# Allegro board KIT_PSE84_AI_PSOC_Edge_E84_AI_Board_Layout.brd (continued)
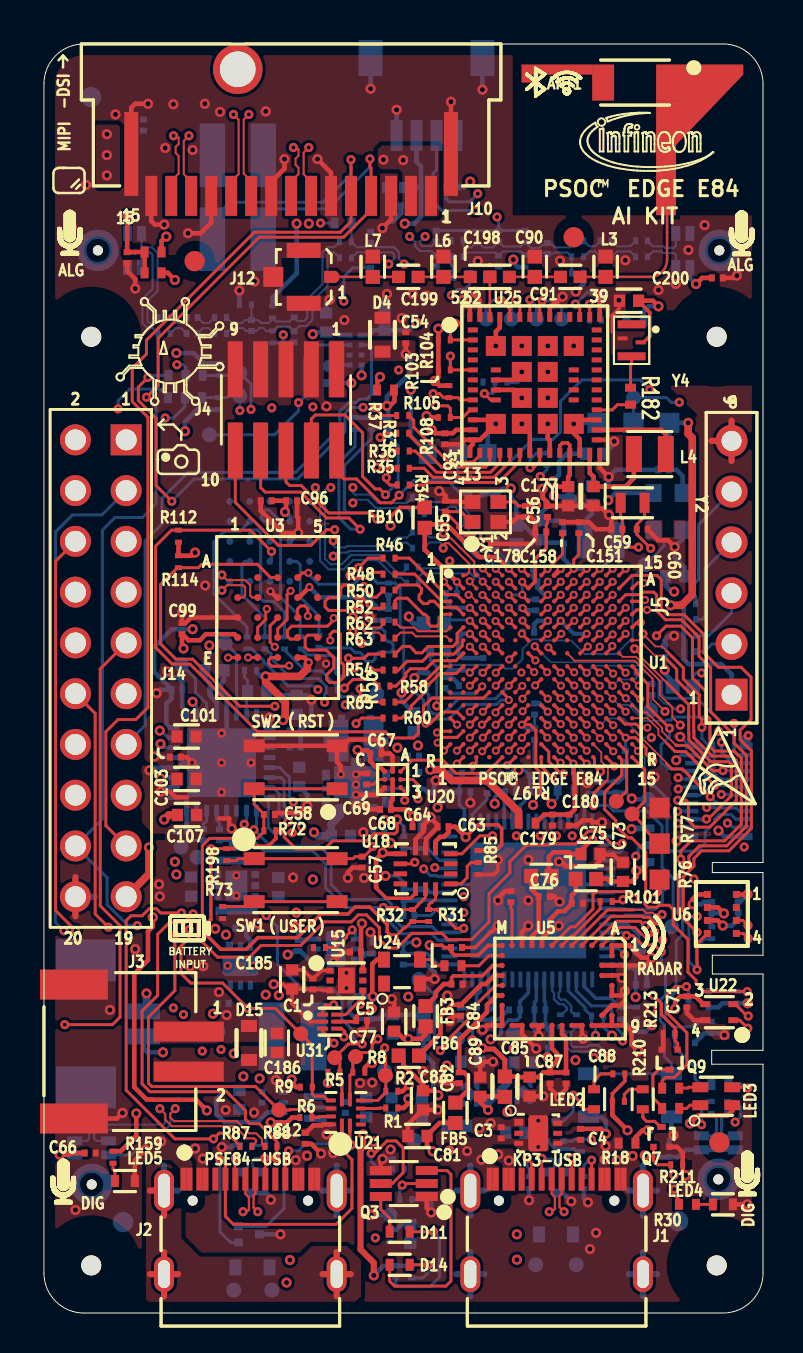
[diagram p0: board, top side]
## Routing (per net, layer and track width the routed paths; a pad name or vN(x,y) marks a point on that pad's centre or on a via; arc(x,y) is an arc through that point) (continued)
  BOTTOM w0.229: TP16.1 29.46,25.71 v3(29.43,25.74) ; C46.1 20.09,26.07 C47.1 20.08,25.68 v3(19.71,25.3) ; v3(30.42,14.4) 30.09,14.07 29.56,14.07 28.92,14.71 R25.1
  BOTTOM w0.254: C39.1 25.1,14.35 25.33,14.13 25.33,13.41 25.2,13.29 v3(25.2,12.8)
P5LP_XRES: length 3.8
  BOTTOM w0.15: TP18.1 30.95,21.4 30.95,20.57 30.59,20.2 29.07,20.2 29.03,20.24 U2.10
P11_1: length 37.4
  TOP w0.15: U1.E11 v1(27.17,34.64)
  L03_SIG1 w0.089: 26.34,39.29 26.31,39.27 26.31,37.49 26.19,37.37 26.19,37.1 26.39,36.91 26.65,36.91 26.84,36.72 26.84,34.96 v1(27.17,34.64)
  L03_SIG1 w0.157: 26.34,39.29 26.34,41.48 24.36,43.46 22.94,43.46 21.69,44.71 21.69,45.85 19.1,48.43 14.07,48.43 12.75,47.11 v2(12.75,45.55)
  BOTTOM w0.15: U40.7 13.71,48.43 13.03,47.75 13.03,45.84 v2(12.75,45.55) 12.75,45.14 11.54,43.94 TP70.1
P11_1_IN_3V3: length 29.1
  BOTTOM w0.15: J14.13 5.07,29.4 5.07,38.64 5.91,39.48 5.91,40.76 7.21,42.06 12.6,42.06 14.81,44.27 14.81,44.98 14.81,44.99 14.81,45.11 15.26,45.57 15.66,45.57 15.81,45.72 16.15,45.72 16.39,45.96 16.39,48.33 16.28,48.43 U40.2
P16_0: length 59.9
  TOP w0.15: v2(1.58,19.14) 0.58,20.14 0.58,37.62 J14.6 ; U1.M11 v1(27.17,29.44)
  L04_SIG2 w0.089: v1(27.17,29.44) 27.5,29.1 27.5,28.25 28.19,27.56 28.19,26.62 28.17,26.59
  L04_SIG2 w0.157: 28.17,26.59 28.09,26.51 28.09,25.25 27.5,24.67 27.5,24.17 27.83,23.84 27.83,23.54 27.71,23.43 27.71,20.77 24.68,17.75 15.98,17.75 15.48,18.24 13.87,18.24 12.73,17.1 11.23,17.1 10.84,16.7 3.51,16.7 1.58,18.62 v2(1.58,19.14)
P16_1: length 106
  TOP w0.15: U1.R13 28.55,27.4 v1(28.55,27.36)
  L03_SIG1 w0.089: v1(28.55,27.36) 28.99,27.36 29.53,26.82 29.53,26.59
  L03_SIG1 w0.157: 29.53,26.59 30.26,25.87 30.26,23.75 30.48,23.53 30.48,21.58 30.94,21.12 30.94,20.55 30.56,20.17 30.15,20.17 29.63,19.65 29.63,19.29 30.02,18.9 30.02,15.07 30.25,14.83 30.58,14.83 32.13,13.29 32.13,11.83 33.84,10.13 33.84,10.11 34.24,9.7 34.24,9.4 34.67,8.97 34.67,5.67 33.75,4.75 31.46,4.75 27.3,0.59 8.64,0.59 6.02,3.2 5.34,3.2 3.28,5.26 3.28,7.27 0.59,9.96 0.59,41.89 0.91,42.22 2.31,42.22 2.72,41.81 2.72,40.01 J14.5
P16_2: length 51.6
  TOP w0.15: U1.N11 v1(27.17,28.79)
  L04_SIG2 w0.089: v1(27.17,28.79) 26.84,28.46 26.38,28.46 26.19,28.27 26.19,28 26.38,27.81 26.64,27.81 26.83,27.62 26.83,26.92 26.19,26.27 26.19,24.08 26.12,24.01 26.12,23.46
  L04_SIG2 w0.157: 26.12,23.46 23.65,20.99 23.65,19.72 22.49,18.57 20.27,18.57 19.61,19.23 16.72,19.23 16.07,19.87 14.31,19.87 13.06,18.62 11.97,18.62 11.35,17.99 6.09,17.99 6.09,17.99 5.4,17.99 2.9,20.49 2.9,34.74 J14.8
P16_3: length 64
  TOP w0.15: U1.L11 27.15,30.1 v1(27.15,30.06)
  L04_SIG2 w0.089: v1(27.15,30.06) 27.19,30.06 27.54,29.71 27.97,29.71 28.16,29.52 28.16,28.95 28.15,28.95 28.15,28.63 28.16,28.62 28.16,27.97 28.36,27.77 28.59,27.77 28.87,27.49 28.87,26.79 28.73,26.65 28.73,26.59
  L04_SIG2 w0.157: 28.73,26.59 28.52,26.39 28.52,24.6 28.17,24.25 28.17,20.78 24.88,17.49 15.87,17.49 15.38,17.98 14.01,17.98 12.87,16.84 11.34,16.84 10.94,16.44 2.79,16.44 0.59,18.64 0.59,36.68 0.99,37.09 3.1,37.09 J14.7
P16_4: length 50.1
  TOP w0.15: U1.P11 v1(27.17,28.14)
  L04_SIG2 w0.089: 27.53,26.24 27.53,27.77 v1(27.17,28.14)
  L04_SIG2 w0.102: 27.53,26.24 27.1,25.81
  L04_SIG2 w0.157: J14.10 2.64,32.46 2.64,30.81 2.63,30.8 2.63,19.09 4.76,16.96 10.73,16.96 11.15,17.37 12.64,17.37 13.76,18.5 15.59,18.5 16.08,18 23.85,18 27.08,21.24 27.08,25.78 27.1,25.81
P16_5: length 95.6
  TOP w0.15: v1(26.54,30.06) U1.L10 ; v2(1.04,14.43) 3.43,14.43 3.81,14.81 3.81,19.38 2.82,20.37 2.82,32.23 J14.9
  L03_SIG1 w0.089: v1(26.54,30.06) 26.84,29.76 26.84,29.3 27.03,29.11 27.3,29.11 27.49,28.92 27.49,28.52 27.8,28.21 27.8,27.82 28.21,27.41 28.21,27.21 28.83,26.59
  L03_SIG1 w0.157: v2(1.04,14.43) 0.91,14.3 0.91,10.2 3.63,7.48 3.63,5.27 5.45,3.46 6.13,3.46 8.75,0.85 27.19,0.85 31.35,5 31.7,5 32.88,6.18 32.88,6.92 33.3,7.34 33.3,10.3 31.34,12.25 31.34,12.86 28.5,15.71 28.5,16.92 29.11,17.52 29.23,17.52 29.59,17.89 29.59,18.97 29.38,19.18 29.38,19.78 29.91,20.32 29.91,21.3 30.22,21.6 30.22,23.39 30,23.61 30,25.71 29.58,26.13 29.3,26.13 28.83,26.59
P16_6: length 45.8
  TOP w0.15: v2(3.23,19.31) 2.57,19.97 2.57,30 J14.12 ; U1.R11 v1(27.17,27.49)
  L04_SIG2 w0.089: v1(27.17,27.49) 27.17,27 26.83,26.66 26.83,25.9
  L04_SIG2 w0.157: 26.83,25.9 26.82,25.89 26.82,22.53 22.58,18.29 20.09,18.29 19.43,18.95 18.34,18.95 17.67,18.28 16.43,18.28 15.9,18.81 15.28,18.81 14.81,19.28 14.09,19.28 13.12,18.32 12.04,18.32 11.45,17.73 4.35,17.73 3.23,18.86 v2(3.23,19.31)
P16_7: length 43.6
  TOP w0.15: U1.M10 v1(26.52,29.44)
  L04_SIG2 w0.089: v1(26.52,29.44) 26.19,29.11 26.19,28.65 26,28.46 25.73,28.46 25.04,27.77 25.04,24.99 24.52,24.47 24.52,23.57
  L04_SIG2 w0.157: 24.52,23.57 24.52,23.5 22.1,21.08 22.1,20.03 21.68,19.61 19.96,19.61 19.66,19.91 16.77,19.91 16.21,20.47 12.53,20.47 12.05,20 12.05,19.43 11.13,18.51 6.31,18.51 6.3,18.51 6.12,18.51 4.9,19.73 4.9,19.99 4.9,19.99 4.9,21.21 3.16,22.95 3.16,30.03 J14.11
P17_2: length 79.8
  TOP w0.15: v1(25.47,26.77) 24.89,27.34 U1.R8
  L03_SIG1 w0.089: 26.94,23.07 26.94,23.58 27.01,23.64 27.01,24.11 26.58,24.54 26.58,25.68 25.84,26.42 25.81,26.42 v1(25.47,26.77)
  L03_SIG1 w0.157: 26.94,23.07 26.94,18.98 26.02,18.06 26.02,12.56 26.41,12.18 26.8,12.18 27.08,12.45 27.08,12.93 27.34,13.19 28.44,13.19 28.78,12.85 28.78,11.47 29.64,10.61 29.64,8.69 29.06,8.11 29.06,7.51 29.26,7.31 29.26,4.45 26.75,1.93 23.68,1.93 21.9,3.71 17.78,3.71 17.06,2.99 16.28,2.99 15.51,3.76 12.8,3.76 11.76,2.72 8.38,2.72 6.54,4.56 5.82,4.56 4.78,5.6 4.78,7.94 2.55,10.17 2.55,19.5 2.88,19.83 2.88,24.67 J14.15
P17_3: length 79.8
  TOP w0.15: U1.P9 v1(25.87,28.14)
  L03_SIG1 w0.089: 26.52,26.59 26.52,27.02 26.18,27.35 26.18,27.82 v1(25.87,28.14)
  L03_SIG1 w0.157: J14.16 2.36,25.13 2.36,20.09 2.02,19.75 2.02,9.87 4.21,7.68 4.21,5.43 5.6,4.04 6.33,4.04 8.36,2.01 12.66,2.01 13.89,3.24 15.3,3.24 16.06,2.47 17.41,2.47 18.12,3.19 21.69,3.19 23.47,1.41 27.03,1.41 30.87,5.26 30.87,10.23 29.33,11.77 29.33,13.78 27.61,15.5 27.61,17.91 28.22,18.52 28.22,24.3 28.32,24.4 28.32,24.71 28.09,24.94 27.39,24.94 27.13,25.19 27.13,25.72 26.52,26.34 26.52,26.59
P17_4: length 81.8
  TOP w0.15: U1.P8 25.27,28.08 25.27,27.59 25.86,27 v1(26.01,27)
  L03_SIG1 w0.089: 26.86,25.5 26.86,25.67 26.29,26.24 26.29,26.72 v1(26.01,27)
  L03_SIG1 w0.157: 26.86,25.5 26.86,24.65 27.35,24.16 27.67,24.16 27.94,23.89 27.94,18.65 27.23,17.93 27.23,14.91 28.04,14.1 28.04,13.74 28.28,13.5 28.58,13.5 29.06,13.02 29.06,11.56 30.61,10.01 30.61,5.36 26.92,1.67 23.57,1.67 21.8,3.45 17.95,3.45 17.24,2.73 16.17,2.73 15.41,3.5 13.78,3.5 12.55,2.27 8.47,2.27 6.44,4.3 5.71,4.3 4.47,5.54 4.47,7.83 2.29,10 2.29,19.64 2.62,19.97 2.62,27.41 J14.14
P17_5: length 102.6
  TOP w0.15: U1.N9 v1(25.87,28.79)
  L03_SIG1 w0.089: 26.82,27.32 26.84,27.34 26.84,28.27 26.65,28.46 26.19,28.46 v1(25.87,28.79)
  L03_SIG1 w0.102: 26.82,27.32 26.82,26.37 27.03,26.16 27.25,26.16 27.37,26.04
  L03_SIG1 w0.157: v2(1,19.13) 1,15.67 1.76,14.91 1.76,9.72 3.95,7.53 3.95,5.33 5.55,3.72 6.24,3.72 8.82,1.14 12.34,1.14 14.18,2.98 14.85,2.98 16.38,1.45 16.89,1.45 18.37,2.93 21.58,2.93 23.36,1.15 27.13,1.15 31.13,5.15 31.13,10.68 30.2,11.61 30.2,13.27 27.91,15.56 27.91,17.78 28.48,18.34 28.48,24.19 28.58,24.29 28.58,24.84 27.37,26.04
  L04_SIG2 w0.157: J14.1 J14.3
  BOTTOM w0.15: J14.3 2.9,39.93 1.42,39.93 0.58,39.09 0.58,19.54 v2(1,19.13)
P17_7: length 89.6
  TOP w0.15: U1.L9 25.87,30.09 v1(25.87,30.08)
  L03_SIG1 w0.089: v1(25.87,30.08) 25.53,29.74 25.53,29.27 25.52,29.26 25.52,28.29 25.27,28.04 25.27,27.18 25.23,27.14 25.23,27.13 25.13,27.03 25.13,26.36 25.26,26.23 25.76,26.23 26.39,25.6 26.39,24.46 26.82,24.03 26.82,23.72 26.52,23.42 26.52,23.07
  L03_SIG1 w0.157: J14.4 1.58,40.19 2.72,39.05 2.72,28.74 5.07,26.39 5.07,25.51 3.16,23.6 3.16,19.75 2.81,19.4 2.81,10.32 4.47,8.67 5.16,8.67 5.57,8.26 5.57,7.94 5.26,7.64 5.26,5.48 5.92,4.82 6.65,4.82 8.47,3 11.61,3 12.62,4.01 15.62,4.01 16.38,3.25 16.9,3.25 21.42,7.77 21.43,7.77 21.76,8.1 22.28,8.1 22.61,8.43 24.13,8.43 25.4,9.7 25.4,12.27 25.7,12.57 25.7,18.11 26.52,18.93 26.52,23.07
  L04_SIG2 w0.157: J14.2 J14.4
PDM_CLK: length 101.9
  TOP w0.15: v1(23.95,34.65) 23.98,34.62 23.98,34.58 24,34.56 24,34.55 U1.E7 ; v2(7.47,19.97) 7.18,19.68 7.18,19.65 7.06,19.53 6.27,19.53 5.69,18.95 5.69,15.89 4.91,15.11 4.91,11.46 5.3,11.08 9.14,11.08 10.08,10.14 10.08,9.7 10.31,9.48 10.77,9.48 11.66,8.59 R88.2 11.66,7.79 v2(11.61,7.75)
  L03_SIG1 w0.089: v1(23.95,34.65) 23.95,34.79 23.59,35.15 23.59,36.09 23.43,36.25 23.14,36.25 22.94,36.45 22.94,36.72 22.94,36.73 22.94,37.37 22.18,38.13 21.97,38.13 21.57,38.54 21.56,38.54 21.46,38.63 19.79,38.63
  L03_SIG1 w0.157: v2(11.61,7.75) 11.61,8.16 11.96,8.51 14.78,8.51 16.88,6.42 16.88,4.05 v2(16.59,3.76) ; 19.79,38.63 19.25,39.17 19.25,43.08 17.9,44.43 17.9,45.2 17.33,45.77 13.9,45.77 v2(13.46,45.34)
  L04_SIG2 w0.157: v2(7.47,19.97) 7.81,20.31 7.81,25.43 8.09,25.7 8.09,31.2 8.38,31.5 8.38,32.44 8.86,32.92 8.86,32.94 10.54,34.62 10.54,37.92 12.9,40.29 12.9,41.15 13.46,41.71 v2(13.46,45.34) ; v2(34.6,9.55) 34.6,7.38 34.93,7.04 34.93,5.93 33.66,4.65 31.5,4.65 29.13,2.28 23.5,2.28 22.84,2.94 17.4,2.94 v2(16.59,3.76)
  BOTTOM w0.15: R92.2 34.59,10.59 34.89,10.3 34.89,9.84 v2(34.6,9.55)
PDM_DATA: length 106.4
  TOP w0.15: v2(6.88,20.02) 5.84,20.02 5.63,20.23 5.27,20.23 4.92,19.88 4.36,19.88 4.11,19.64 4.11,11.15 6.55,8.71 v2(8.48,8.71) 8.77,9 9.19,9 9.8,8.38 R87.2 ; U1.G6 v1(23.29,32.7)
  L03_SIG1 w0.157: v2(11.4,45.29) 12.7,43.99 15.14,43.99 15.7,43.44 17.04,43.44 18.21,42.27 18.21,35.46 20.96,32.7 22.24,32.7 22.51,32.43 23.01,32.43 v1(23.29,32.7)
  L04_SIG2 w0.157: v2(11.4,45.29) 11.4,39.22 10.24,38.05 10.24,34.7 7.54,32.01 7.54,31.02 7.83,30.74 7.83,25.89 7.39,25.45 7.39,20.96 6.98,20.55 6.98,20.53 6.88,20.43 v2(6.88,20.02) ; v2(32.92,9.42) 33.86,8.48 33.86,7.75 34.62,6.99 34.62,5.98 33.57,4.93 31.41,4.93 29.02,2.54 24.34,2.54 23.68,3.2 18.64,3.2 17.68,4.17 15.64,4.17 14.96,3.48 10.24,3.48 8.34,5.38 8.34,7.7 8.48,7.85 v2(8.48,8.71)
  BOTTOM w0.15: v2(32.92,9.42) 32.92,10.46 33.05,10.59 R91.2
PE84_RST_L: length 97.6
  TOP w0.15: SW2.1 SW2.2 10.52,25.45 11.01,24.97 C58.1 R72.2 11.01,24.08 10.68,23.75 8.3,23.75 7.93,23.38 7.93,19.81 7.7,19.58 7.7,18.8 8.69,17.81 10.29,17.81 10.87,18.39 12.85,18.39 14.03,19.57 15.39,19.57 15.74,19.92 16.15,19.92 16.79,19.28 16.79,18.7 17.23,18.26 17.67,18.26 18.41,19 19.91,19 20.23,18.68 21.4,18.68 22.28,19.56 22.28,20.98 23.32,22.02 23.32,22.58 24.16,23.42 25.28,23.42 25.33,23.47 26.62,23.47 27.25,24.11 27.77,24.11 28.39,23.49 v2(28.95,23.49) ; v2(14.55,39.19) 14.15,39.19 13.36,38.41 11.74,38.41 9.58,40.57 J4.10 ; U1.D8 v1(25.22,35.29)
  L03_SIG1 w0.089: 27.41,26.96 27.41,27.27 27.49,27.35 27.49,28.27 27.3,28.46 27.03,28.46 26.84,28.65 26.84,28.76 26.84,28.76 26.84,28.92 26.65,29.11 26.31,29.11 26.19,29.23 26.19,29.57 26.2,29.58 26.2,30.22 26.01,30.42 25.36,30.42 25.35,30.41 25.08,30.41 24.89,30.6 24.89,30.87 25.09,31.06 25.35,31.06 25.51,31.22 25.51,32.2 25.32,32.39 25.32,32.87 26.26,33.81 26.26,34.44 26.21,34.5 26.21,34.51 26.2,34.52 26.2,35.14 26.19,35.15 26.19,35.48 26.06,35.61 25.54,35.61 v1(25.22,35.29) 24.87,35.64 24.87,37.57 25.25,37.95
  L03_SIG1 w0.102: 27.84,26.53 27.41,26.96
  L03_SIG1 w0.157: 25.25,37.95 25.25,40.54 24.94,40.85 24.81,40.85 20.5,45.16 20.5,46.47 19.78,47.18 v2(17.75,47.18) ; 27.84,26.53 27.84,26.14 28.98,25.01 28.98,24.12 28.95,24.1 v2(28.95,23.49)
  L04_SIG2 w0.157: v2(14.55,39.19) 14.84,39.48 14.84,41.32 14.55,41.61 14.55,47.19 14.83,47.47 17.47,47.47 v2(17.75,47.18)
  BOTTOM w0.15: v2(28.95,23.49) 28.97,23.47 28.97,23.19 28.82,23.04 U2.3
PE84_SWCLK: length 54.5
  TOP w0.15: J4.4 13.39,44.73 13.58,44.93 15.06,44.93 15.95,44.04 15.95,41.85 16.57,41.23 16.81,41.23 v2(17.09,40.94) ; U1.R6 v1(23.19,27.41)
  L03_SIG1 w0.089: v1(23.19,27.41) 23.19,27.06 22.77,26.64 22.71,26.64 22.67,26.59
  L03_SIG1 w0.157: 22.67,26.59 21.98,25.91 21.98,25.27 21.77,25.05 21.77,24.76 21.59,24.58 21.59,23.16 20.71,22.29 v2(19.56,22.29)
  L04_SIG2 w0.157: v2(17.09,40.94) 17.38,40.66 17.91,40.13 17.91,39.2 16.35,37.65 15.4,37.65 14.83,37.08 14.8,37.08 11,33.28 11,32.74 9.5,31.24 9.5,26 8.75,25.25 8.75,23.62 10.05,22.32 17.53,22.32 18.06,21.79 19.18,21.79 19.56,22.18 v2(19.56,22.29)
  BOTTOM w0.15: v2(17.09,40.94) 17.73,41.58 17.73,43.39 17.22,43.9 R200.2 ; U2.47 19.72,22.24 19.69,22.28 19.57,22.28 v2(19.56,22.29)
PE84_SWDIO: length 50.9
  TOP w0.15: J4.2 14.66,42.09 15.01,41.73 15.65,41.73 16.84,40.54 17.4,40.54 v2(17.78,40.92) ; U1.P6 v1(23.27,28.14)
  L03_SIG1 w0.089: 22.3,26.59 22.83,27.13 22.83,27.7 v1(23.27,28.14)
  L03_SIG1 w0.157: 22.3,26.59 21.73,26.02 21.73,25.37 21.51,25.16 21.51,24.87 19.33,22.68 19.17,22.68 19.01,22.53 19.01,22.42 19.01,22.41 v2(19.01,22.22)
  L04_SIG2 w0.157: v2(17.78,40.92) 18.26,40.44 18.26,39.19 11.31,32.24 10.94,32.24 9.91,31.21 9.91,26.04 9.01,25.14 9.01,23.73 10.16,22.58 17.78,22.58 18.19,22.18 18.97,22.18 v2(19.01,22.22)
  BOTTOM w0.15: v2(17.78,40.92) 18.52,41.66 20.19,41.66 20.88,40.97 R199.2 ; v2(19.01,22.22) 19.35,21.88 19.68,21.88 19.72,21.84 U2.46
PE84_SWO: length 28.8
  TOP w0.15: J4.6 12.12,41.58 12.29,41.4 12.88,41.4 14.25,40.03 16.36,40.03 v2(16.66,39.73) ; U1.M6 v1(23.27,29.44)
  L03_SIG1 w0.089: 20.07,32.49 22.06,32.49 22.29,32.26 22.29,31.21 22.47,31.03 23.36,31.03 23.61,30.79 23.61,29.78 v1(23.27,29.44)
  L03_SIG1 w0.157: 20.07,32.49 17.55,35 17.55,38.63 16.95,39.23 16.95,39.44 v2(16.66,39.73)
  BOTTOM w0.15: R201.2 16.38,43.74 15.04,42.39 15.04,40.18 15.19,40.03 16.36,40.03 v2(16.66,39.73)
PE84_TDI: length 28.5
  TOP w0.15: U1.N6 v1(23.27,28.79) ; v2(15.82,39.22) 15.26,39.78 14.15,39.78 12.85,41.07 11.07,41.07 10.85,41.3 J4.8
  L03_SIG1 w0.089: v1(23.27,28.79) 22.94,29.12 22.94,29.29 22.93,29.3 22.93,30.19 22.54,30.58 21.18,30.58
  L03_SIG1 w0.157: v2(15.82,39.22) 15.82,38.74 17.03,37.53 17.03,34.73 21.18,30.58
  BOTTOM w0.15: v2(15.82,39.22) 15.34,39.22 14.76,39.8 14.76,41.13 14.76,41.13 14.76,41.47 14.76,41.47 14.76,42.55 15.57,43.36 R202.2
PE84_USB_CC1: length 18.9
  TOP w0.15: U21.1 14.91,8.17 15.42,7.67 15.42,5.23 14.62,4.44 9.48,4.44 9.08,4.84 J2.A5 9.08,7.46 8.87,7.67 v2(8.82,7.67)
  BOTTOM w0.15: U36.1 9.34,3.54 8.82,4.06 v2(8.82,7.67)
PE84_USB_CC2: length 11.4
  TOP w0.15: v2(12.24,8.11) 12.08,7.95 J2.B5 ; U21.2 15.31,8.49 v2(15.39,8.41)
  BOTTOM w0.15: U36.2 11.12,4.34 12.01,5.23 12.01,7.88 v2(12.24,8.11) 12.73,8.11 13.08,8.46 14.94,8.46 14.99,8.41 v2(15.39,8.41)
PE84_USB_CF: length 30.5
  TOP w0.15: v2(17.06,13.27) 17.06,12.86 17.09,12.83 17.09,12.78 17.09,12.78 TP3.1 17.11,11.87 R2.2 17.11,11.04 16.7,10.63 U21.6 ; U1.K8 v1(25.22,30.74)
  L03_SIG1 w0.157: v2(17.06,13.27) 16.65,13.27 16.64,13.26 16.47,13.26 16.31,13.42 16.31,13.49 16.3,13.5 16.3,13.84 16.31,13.84 16.31,13.99 16.87,14.55 16.87,16.13 16.76,16.23 16.76,19.15 17.28,19.67 19.53,19.67 20.4,18.8 21.35,18.8 21.51,18.95 21.51,20.34 v2(21.02,20.83)
  L04_SIG2 w0.089: v1(25.22,30.74) 24.87,30.38 24.87,28.93 24.86,28.93 24.86,27.58
  L04_SIG2 w0.102: 23.91,23.28 24.31,23.69 24.31,24.45 24.13,24.64 24.13,25.88 24.86,26.61 24.86,27.58
  L04_SIG2 w0.157: 23.91,23.28 21.45,20.83 v2(21.02,20.83)
PE84_USB_DIR: length 45.2
  TOP w0.15: v1(22.61,29.43) 22.61,29.43 U1.M5 ; U21.11 13.81,9.83 13.76,9.78 R6.2 13.41,10.01 13.23,10.19 12.34,10.19 12.31,10.16 TP5.1 10.59,11.33 5.4,11.33 5.23,11.5 5.23,14.81 6.55,16.13 v2(6.55,18.92)
  L04_SIG2 w0.089: v1(22.61,29.43) 22.93,29.11 23.4,29.11 23.59,28.92 23.59,28.65 23.4,28.46 23.13,28.46 22.94,28.27 22.94,28 22.75,27.81 22.45,27.81 22.15,27.51 22.15,26.46
  L04_SIG2 w0.102: 22.15,26.46 22.15,25.26 22.01,25.12 22.01,23.28
  L04_SIG2 w0.157: 22.01,23.28 22.01,22.77 19.72,20.48 17.29,20.48 17.03,20.75 12.33,20.75 11.79,20.21 11.79,20.1 11.79,19.54 11.1,18.85 10.43,18.85 9.67,19.61 8.28,19.61 7.44,18.77 7.11,18.77 6.96,18.92 v2(6.55,18.92)
PE84_USB_DM: length 46.7
  TOP w0.114: v2(9.58,7.74) 9.55,7.71 9.55,6.73 J2.B7 ; J2.A7 10.58,5.97 10.49,5.88 10.49,5.28 v2(10.7,5.07) ; U1.P7 23.94,28.15 23.89,28.15 v1(23.86,28.13)
  L03_SIG1 w0.089: 23.86,26.59 23.86,26.61 23.87,26.62 23.87,26.69 23.88,26.71 23.88,26.72 24.11,26.94 24.11,27.67 24.11,27.67 24.11,28.04 24.02,28.13 v1(23.86,28.13)
  L03_SIG1 w0.114: 10.08,7.74 10.19,7.63 10.19,6.99 9.17,5.98 9.17,4.51 9.43,4.25 10.14,4.25 10.54,4.64 10.54,4.91 v2(10.7,5.07) ; 10.08,7.74 10.19,7.85 10.19,8.36 10.56,8.73 11.17,8.73 12.03,9.59 12.32,9.59 12.45,9.72 12.8,9.72 12.93,9.59 13.49,9.59 13.62,9.72 13.96,9.72 14.1,9.59 14.44,9.59 14.58,9.72 14.92,9.72 15.05,9.59 15.4,9.59 15.53,9.72 15.87,9.72 16.01,9.59 16.52,9.59 17.29,8.82 22.03,8.82 22.28,9.07 23.45,9.07 24.16,9.78 24.16,11.72 24.02,11.86 24.02,12.2 24.16,12.33 24.16,12.68 23.93,12.9 23.93,13.46 23.63,13.77 23.63,22.99 24.11,23.47 24.18,23.55 24.18,24.16 23.86,24.48 23.86,26.59 ; 10.08,7.74 v2(9.58,7.74)
  BOTTOM w0.114: v2(9.58,7.74) 10.07,7.74 10.21,7.6 10.21,7.33 U30.1
PE84_USB_DP: length 46.6
  TOP w0.114: v1(23.93,28.78) 23.93,28.79 U1.N7 ; v2(9.96,5.07) 9.98,5.05 10.14,5.05 10.26,5.17 10.26,5.79 10.08,5.97 J2.A6 ; v2(11.05,7.74) 11.08,7.71 J2.B6
  L03_SIG1 w0.089: 24.11,26.59 24.11,26.62 24.33,26.85 24.33,27.57 24.33,27.58 24.33,28.13 24.33,28.13 24.33,28.37 v1(23.93,28.78)
  L03_SIG1 w0.114: 24.11,26.59 24.11,24.59 24.43,24.26 24.43,23.44 24.36,23.37 23.88,22.89 23.88,13.87 24.18,13.56 24.18,13 24.4,12.78 24.4,9.68 23.55,8.82 22.39,8.82 22.13,8.57 17.19,8.57 16.42,9.34 12.13,9.34 11.27,8.48 10.67,8.48 10.44,8.26 10.44,7.86 10.55,7.74 ; 10.55,7.74 v2(11.05,7.74) ; 10.55,7.74 10.44,7.63 10.44,6.89 10.11,6.55 10.11,6.39 10.19,6.31 10.19,6.15 10.02,5.99 9.86,5.99 9.78,6.07 9.62,6.07 9.42,5.87 9.42,4.61 9.54,4.5 10.04,4.5 10.29,4.75 10.29,4.96 10.18,5.07 v2(9.96,5.07)
  BOTTOM w0.114: v2(11.05,7.74) 10.55,7.74 10.44,7.63 10.44,7.35 U30.2
PE84_USB_ID: length 43.2
  TOP w0.15: U31.1 13.95,15.27 14.1,15.42 v2(14.5,15.42) ; U21.9 14.21,10.63 14,10.84 13.54,10.84 13.43,10.95 R9.2 13.43,13.39 TP7.1 11.58,15.24 v2(10.21,15.24) 8.94,16.51 7.34,16.51 6.86,16.99 6.86,18.36 7.28,18.78 v2(7.28,19.19) ; U1.N5 v1(22.62,28.79)
  L03_SIG1 w0.157: v2(14.5,15.42) 14.09,15.42 13.92,15.24 v2(10.21,15.24)
  L04_SIG2 w0.089: 21.92,26.49 21.92,27.61 22.28,27.97 22.28,28.44 v1(22.62,28.79)
  L04_SIG2 w0.102: 21.92,26.49 21.92,25.32 21.74,25.14 21.74,23.14
  L04_SIG2 w0.157: v2(7.28,19.19) 7.98,19.89 9.76,19.89 10.54,19.11 11,19.11 11.53,19.65 11.53,20.21 11.53,20.32 12.22,21.01 17.14,21.01 17.4,20.74 19.62,20.74 21.74,22.87 21.74,23.14
PE84_USB_OUT1: length 32.6
  TOP w0.15: U1.L4 v1(21.97,30.09) ; U21.7 15.31,11.9 R8.1 15.46,12.69 TP6.1 15.8,13.03 16.26,13.03 16.43,13.2 16.43,13.42 v2(16.71,13.71)
  L03_SIG1 w0.089: 21.34,26.59 22.28,27.54 22.28,28.28 22.28,28.28 22.28,28.64 22.29,28.65 22.29,28.92 22.28,28.93 22.28,29.77 v1(21.97,30.09)
  L03_SIG1 w0.157: v2(16.71,13.71) 17,14 17,14.01 17.79,14.8 17.79,15.87 17.02,16.64 17.02,18.88 17.55,19.41 19.43,19.41 20.29,18.54 21.58,18.54 21.91,18.86 21.91,20.82 21.26,21.46 18.69,21.46 18.01,22.15 18.01,23.01 18.44,23.45 19.33,23.45 20.62,24.74 20.62,25.88 21.34,26.59
PE84_USB_OUT2: length 33
  TOP w0.15: U1.N4 v1(21.97,28.79) ; v2(15.93,13.46) 15.24,13.46 TP4.1 14.81,12.52 R5.1 14.81,11.69 14.91,11.59 U21.8
  L04_SIG2 w0.089: v1(21.97,28.79) 21.64,28.46 21.18,28.46 20.99,28.27 20.99,27.01 21.72,26.29
  L04_SIG2 w0.102: 21.72,26.29 21.72,25.4 21.54,25.23 21.54,23.3 21.48,23.25 21.48,22.98
  L04_SIG2 w0.157: v2(11.13,19.89) 11.13,20.78 11.66,21.31 17.37,21.31 17.68,21 19.51,21 21.48,22.98
  BOTTOM w0.15: v2(11.13,19.89) 11.68,19.33 11.68,17.45 12.88,16.26 14.41,16.26 14.84,15.83 14.91,15.76 14.91,14.71 15.44,14.17 15.44,13.79 15.77,13.46 v2(15.93,13.46)
PE84_VBUS: length 15.3
  TOP w0.178: C185.1 12.98,17.17 13.41,16.74 C1.2 13.49,16.74 13.89,17.14 U15.1
  TOP w0.229: R1.2 18.01,10.26 18.24,10.49 v3(18.24,10.72)
  L05_PWR w0.229: v3(18.24,15.83) 17.81,16.26 15.82,16.26 15.43,15.86 14.98,15.86 13.97,16.87 8.92,16.87 8.45,17.35 v3(7.98,17.35)
  BOTTOM w0.229: U26.6 15.86,17.71 16.14,17.99 C11.2
  vias: v3(7.32,17.35) v3(7.57,8.23) v3(7.95,7.72) v3(12.6,7.65) v3(13.17,7.87)
PE84_VCCD: length 40.4
  TOP w0.15: U1.B1 v1(20.02,36.59) ; U1.H4 v1(21.97,32.04) ; U1.B9 v1(25.87,36.59) ; U1.M8 25.21,29.45 v1(25.21,29.4) ; U1.F11 v1(27.17,33.99) ; U1.E9 v1(25.87,34.64) ; U1.B12 v1(27.82,36.59)
  L03_SIG1 w0.089: v1(20.02,36.59) 20.37,36.93 21.45,36.93 21.64,36.75 21.64,36.46 21.83,36.27 22.06,36.27 22.28,36.06 22.28,35.43 22.29,35.42 22.29,35.15 22.48,34.96 23.44,34.96 23.6,34.81 23.6,34.47 23.76,34.31 24.14,34.31 24.82,33.63 25.34,33.63 25.57,33.86 25.57,34.34 v1(25.87,34.64) ; 25.81,37.69 25.53,37.42 25.53,36.92 v1(25.87,36.59)
  L03_SIG1 w0.229: v3(25.53,40.9) 25.81,40.62 25.81,37.69
  L04_SIG2 w0.089: v1(25.87,36.59) 26.19,36.26 26.19,34.96 v1(25.87,34.64) ; v1(27.82,36.59) 27.49,36.91 27.49,37.56 26.33,38.72 26.33,39.29
  L04_SIG2 w0.229: 26.33,39.29 26.33,40.1 v3(25.53,40.9)
  L05_PWR w0.089: v1(25.87,34.64) 25.54,34.31 25.08,34.31 24.89,34.12 24.89,33.85 24.73,33.68 24.43,33.68 24.24,33.5 24.24,33.16 23.43,32.35 23.05,32.35 22.96,32.44 22.37,32.44 v1(21.97,32.04) 22.29,31.71 23.45,31.71 23.46,31.7 24.07,31.7 24.26,31.51 24.26,31.24 24.61,30.89 24.61,30 v1(25.21,29.4)
  BOTTOM w0.203: v1(25.87,34.64) 26.52,33.99 v1(27.17,33.99)
  BOTTOM w0.229: v3(25.53,40.9) 25.58,40.85 26.15,40.85 TP45.1 26.57,40.44 C152.1 27.43,40.01 27.07,39.64 L5.2
PE84_VDDA: length 13.5
  TOP w0.15: U1.J11 v1(27.17,31.39) ; U1.G12 v1(27.82,33.34) ; U1.J12 v1(27.82,31.39) ; U1.H14 v1(29.12,32.04) ; U1.L12 v1(27.82,30.09)
  L05_PWR w0.089: v1(27.17,31.39) 27.17,31.19 27.49,30.87 27.49,30.41 v1(27.82,30.09) 28.14,30.41 28.14,31.06 v1(27.82,31.39) 27.49,31.71 U1.G12 v1(27.82,33.34) 28.23,32.92 28.85,32.92 29.12,32.66 v1(29.12,32.04) 30.26,32.04 30.41,32.19 30.57,32.19 30.57,32.18 v3(31.07,32.18)
  BOTTOM w0.229: C146.1 31.06,32.19 v3(31.07,32.18) 31.07,32 31.47,31.6 FB9.2
PE84_VTARG: length 134.5
  TOP w0.15: v3(17.5,18.75) 18.03,19.27 18.09,19.27 18.4,19.59 R32.2 R31.2 ; v3(8.36,23.2) 8.39,23.24 R198.1 ; U1.A10 v1(26.52,37.24) 26.52,37.69 26.77,37.95 C151.1 ; U1.A11 v1(27.17,37.24) ; U1.B10 v1(26.52,36.59) ; R72.1 11.91,24.13 12.02,24.02 12.02,23.82 12.62,23.22 14.05,23.22 14.45,23.62 16.16,23.62 16.52,23.98 17.57,23.98 17.68,24.09 v3(17.68,24.69) ; U1.D6 v1(23.27,35.29)
  TOP w0.178: R72.1 11.61,23.74 11.23,23.36 9.63,23.36 9.51,23.24 R198.1 ; v3(17.35,39.4) 17.35,39.84 17.82,40.31 FB10.2 ; v3(17.5,18.75) 17.18,19.06 17.18,19.44 16.31,20.31 15.57,20.31 15.23,19.97 13.87,19.97 12.69,18.78 10.71,18.78 10.12,18.2 8.85,18.2 8.09,18.96 8.09,19.42 8.36,19.69 v3(8.36,23.2)
  TOP w0.229: R196.1 17.54,46.15 17.54,45.62 17.32,45.39 v3(17.17,45.39) ; C54.1 v3(18.11,47.98)
  L03_SIG1 w0.152: v3(17.5,18.75) 17.93,18.75 18.23,19.05 19.28,19.05 19.74,18.59 19.74,17.78 21.44,16.07 v3(21.44,13.65)
  L04_SIG2 w0.15: v3(28.44,13.88) 27.86,13.31 26.85,13.31 25.35,14.81
  L04_SIG2 w0.152: 25.35,14.81 22.02,14.81 21.44,14.23 v3(21.44,13.65)
  L04_SIG2 w0.229: v3(17.17,45.39) 16.76,45.8 15.9,45.8 15.58,45.48 15.58,41.74 17.35,39.98 v3(17.35,39.4) 16.64,38.69 15.88,38.69 14.67,37.48 12.76,37.48 11.84,36.56 11.84,35 9.8,32.97 9.8,32.36 8.48,31.04 8.48,25.54 8.36,25.41 v3(8.36,23.2)
  L05_PWR w0.089: 21.58,37.08 21.74,36.92 22.1,36.92 22.11,36.91 22.75,36.91 22.94,36.72 22.94,36.45 23.14,36.25 23.4,36.25 23.59,36.06 23.59,35.61 v1(23.27,35.29) 22.94,35.61 22.46,35.61 22.28,35.79 22.28,36.06 22.09,36.25 21.44,36.25 21.43,36.26 20.96,36.26 20.71,36.01 20.07,36.01
  L05_PWR w0.152: 20.71,36.01 20.71,36 19.98,36 ; 21.58,37.08 21.15,37.08 20.96,37.26 20.75,37.26
  L05_PWR w0.229: v3(18.26,34.85) 17.93,34.52 17.93,31.7 18.71,30.92 18.71,29.24 19.18,28.78 19.18,27.97 18.9,27.69 18.9,26.11 19.11,25.89 19.11,25.57 18.91,25.36 18.91,24.63 19.46,24.08 20.24,24.08 20.6,24.44 24.88,24.44 25.09,24.65 27.25,24.65 27.76,24.14 28.86,24.14 28.94,24.21 v3(29.41,24.21)
  BOTTOM w0.15: R29.2 28.01,14.31 v3(28.44,13.88) ; v3(17.68,24.69) 17.98,24.39 17.98,24.2 18.01,24.17 R21.1 ; v3(21.44,13.65) 21.44,14.12 20.9,14.66 R23.1
  BOTTOM w0.229: R202.1 R201.1 R200.1 17.22,45.34 v3(17.17,45.39) 17.17,45.86 18.31,47 18.31,47.78 v3(18.11,47.98) ; v1(27.17,37.24) v1(26.52,37.24) 26.01,37.74 C138.1 25.98,38.55 25.06,38.55 C150.1 24.68,38.93 24.51,38.93 23.99,39.45 FB8.1 23.65,40.51 23.37,40.79 v3(23.37,41.25) 22.99,41.25 22.71,40.97 R199.1 ; v3(18.26,34.85) 18.26,34.72 18.49,34.49 FB11.2
  BOTTOM w0.305: R226.1 29.45,24.25 v3(29.41,24.21)
PSEN_INT: length 33.8
  TOP w0.15: U6.5 32.69,18.47 v2(32.69,17.17) ; v2(31.88,22.71) 31.88,23.12 32.39,23.63 34.08,23.63 34.91,24.46 34.91,27.76 34.55,28.12 33.56,28.12 33.34,28.34 33.34,29.73 33.12,29.95 33.12,31.12 32.46,31.78 32.46,33.78 31.88,34.37 31.14,34.37 v2(30.66,33.88) ; v1(26.54,34.64) 26.52,34.64 U1.E10
  L03_SIG1 w0.089: v2(30.66,33.88) 30.39,33.62 30.39,33.53 29.77,32.91 28.7,32.91 28.59,32.79 27.05,32.79 26.54,33.3 v1(26.54,34.64)
  BOTTOM w0.15: R84.1 33.07,18.73 32.72,18.37 32.72,18.36 32.67,18.32 32.67,17.6 32.69,17.58 v2(32.69,17.17) 32.28,17.58 32.28,19.84 31.88,20.25 v2(31.88,22.71)
